# KiCad board Scan_Head_Set-Relay_board_19.01.2023_Comp.kicad_pcb (continued)
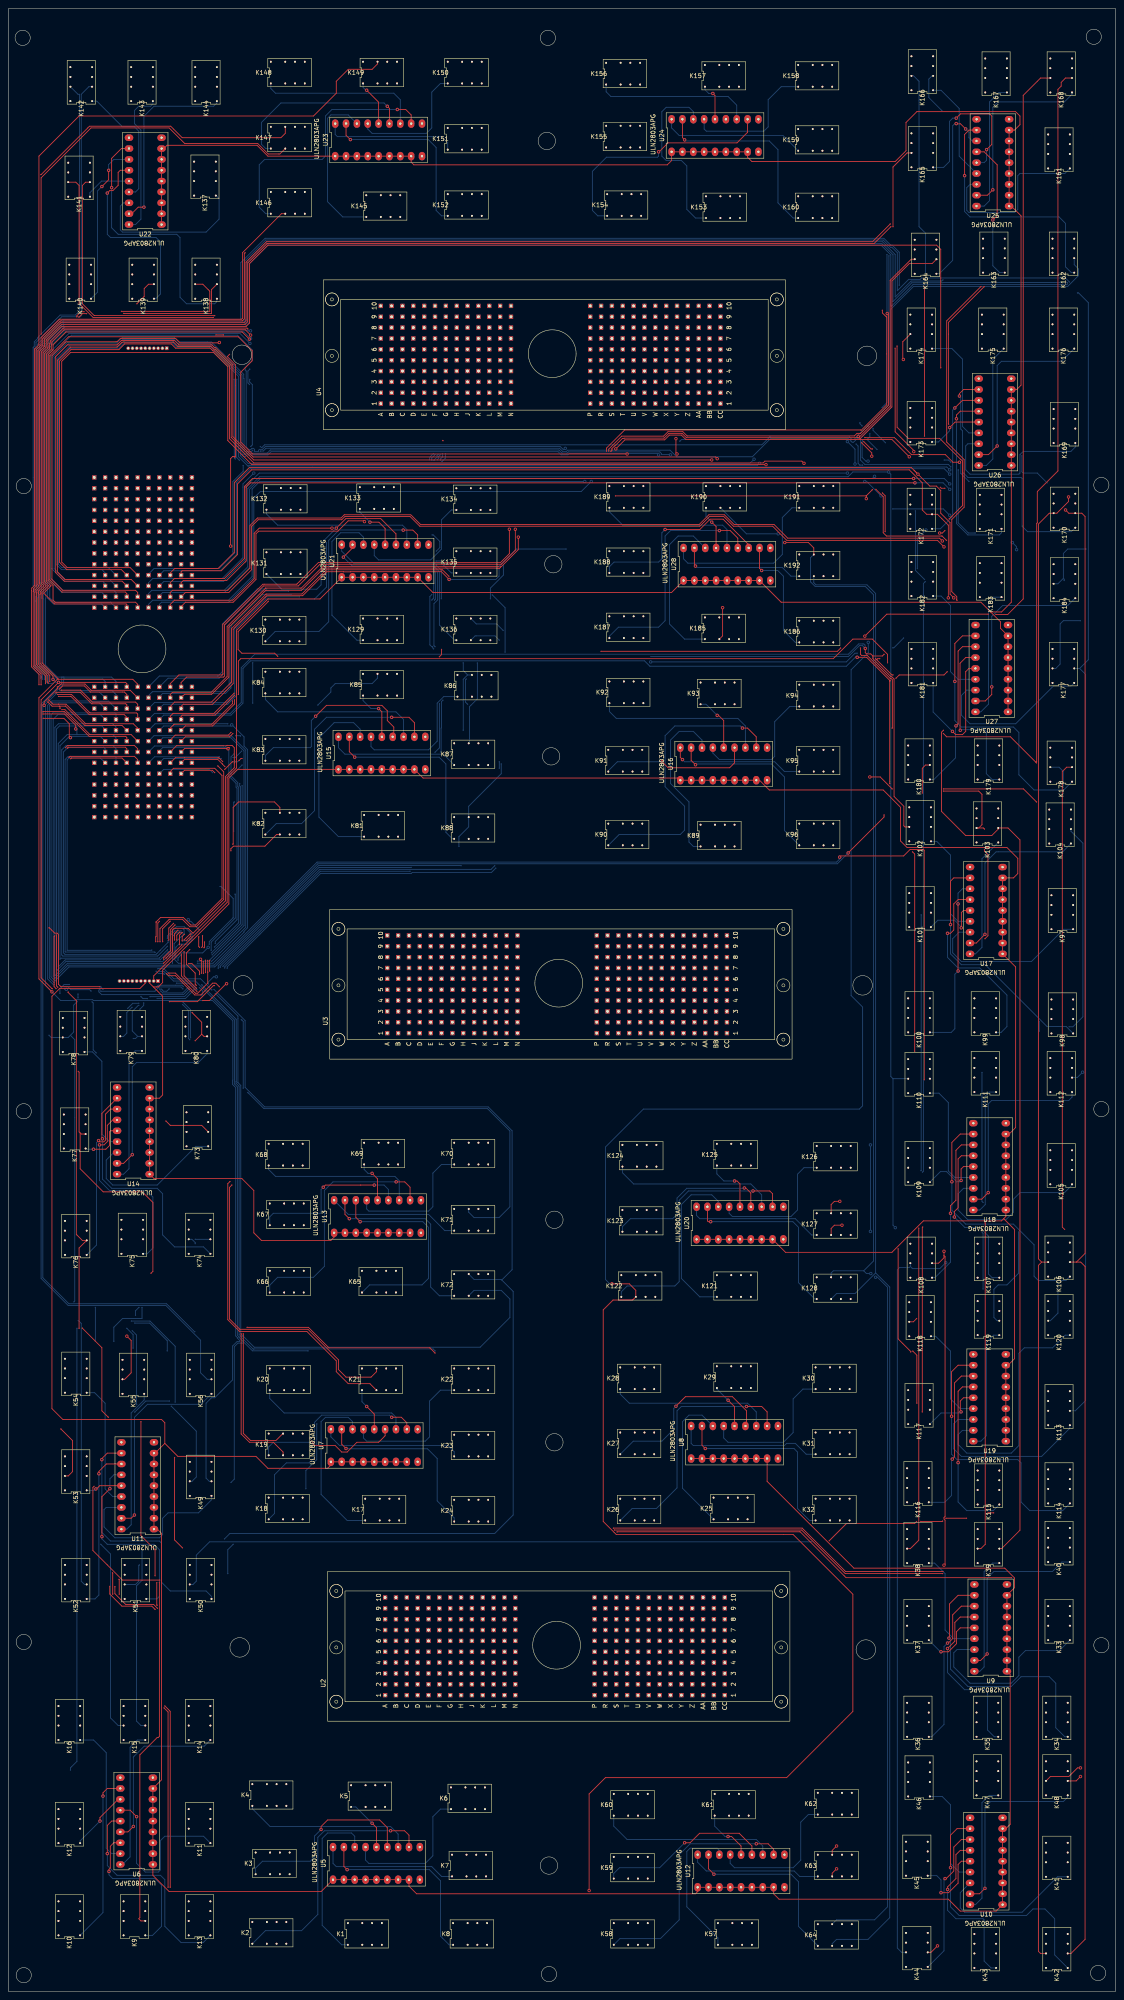
[diagram p0: board, top side]
## Routing (per net, layer and track width the routed paths; a pad name or vN(x,y) marks a point on that pad's centre or on a via; arc(x,y) is an arc through that point) (continued)
IO122: length 653.2
  Top w0.2: U1.S7 27.69,301.1 27.43,301.35 19.45,301.35 16.76,304.04 11.23,304.04 v4(11.07,303.89) ; v4(205.74,310.95) 205.74,312.93 202.18,316.48 197.61,316.48 193.04,311.91 54.36,311.91 53.79,311.35 v4(53.79,303.53) ; K53.21 13.97,120.65 14.99,121.67 14.99,128.91 v4(12.26,131.64)
  +12V w0.2: 10.31,246.53 10.31,303.12 v4(11.07,303.89) ; 10.31,246.53 10.31,235.57 10.68,235.2 10.68,234.41 10.86,234.22 10.86,233.64 10.45,233.23 9.86,233.23 9.86,232.58 9.87,232.56 9.87,231.38 9.92,231.33 9.92,230.95 9.66,230.69 9.54,230.69 9.54,134.35 v4(12.26,131.64) ; 10.31,246.53 43.33,246.53 54.19,257.39 54.19,288.73 54.45,288.99 54.52,288.99 54.86,289.33 54.86,302.46 v4(53.79,303.53) ; v1(208.03,180.34) 210.1,178.27 210.1,176.68 209.59,176.17 209.59,152.67 v1(209.64,152.62) ; 205.49,310.39 205.74,310.64 v4(205.74,310.95) ; 205.49,310.39 205.05,310.39 v1(205.01,310.35) ; 205.49,310.39 v1(209.49,310.39)
  AGND w0.2: K117.21 209.8,136.14 209.3,136.65 209.3,152.28 v1(209.64,152.62) ; v1(205.01,310.35) 204.36,309.7 204.36,183.9 207.92,180.34 v1(208.03,180.34) ; v1(209.49,310.39) 210.57,310.39 K181.21
IO123: length 642.4
  Top w0.2: v4(141.83,107.98) 185.64,107.98 195.83,97.79 v4(218.64,97.79)
  +12V w0.2: v4(141.83,107.98) 140.77,106.93 43.18,106.93 32.26,96.01 K51.11 ; v4(218.64,97.79) 228.6,97.79 229.72,98.91 229.72,116.22 v1(229.62,116.33) ; K179.11 230.38,287.02 229.64,286.28 229.64,241.53 232.92,238.25 232.92,208.53 230.63,206.25 v1(230.63,164.4)
  AGND w0.2: 230.63,117.86 230.12,118.36 230.12,163.89 v1(230.63,164.4) ; 230.63,117.86 231.14,117.35 K115.11 ; 230.63,117.86 229.62,116.84 v1(229.62,116.33) ; v2(10.52,235.58) 10.92,235.58 15.75,230.75 15.75,156.97 18.09,154.63 v2(28.96,154.63) ; K51.11 30.73,95.25 30.16,95.82 30.16,137.16 v2(30,137.32)
  Bottom w0.2: v2(30,137.32) 29.97,137.35 29.97,153.61 v2(28.96,154.63) ; v2(10.52,235.58) 9.14,236.95 9.14,300.99 10.16,302.01 19.27,302.01 19.3,301.97 23.41,301.97 U1.S8
IO124: length 644.9
  Top w0.2: v4(141.56,108.41) 141.59,108.43 185.76,108.43 195.91,98.28 v4(218.71,98.28)
  +12V w0.2: K51.21 31.5,99.57 31.5,103.63 35.31,107.44 140.59,107.44 v4(141.56,108.41) ; v1(227.64,227.84) 227.69,227.89 227.69,246.69 227.44,246.94 227.44,247.85 227.57,247.98 227.57,286.27 K179.21 ; v1(228.6,165.35) 228.6,119.38 226.82,117.6 K115.21 225.04,117.35 223.77,116.08 223.77,100.22 221.74,98.19 218.87,98.19 218.78,98.28 v4(218.71,98.28)
  AGND w0.2: v1(228.6,165.35) 228.6,177.55 228.09,178.05 v2(228.09,184.66) ; v2(10.69,236.05) 11.01,236.05 15.92,231.14 27.43,231.14 29.66,228.92 29.66,159.07 38.55,150.17 38.55,110.43 30.61,102.5 v2(30.61,99.82) ; v2(227.84,215.08) 227.64,215.27 v1(227.64,227.84)
  Bottom w0.2: K51.21 29.72,95.25 30.48,96.01 30.48,99.69 v2(30.61,99.82) ; v2(227.84,215.08) 227.84,184.91 v2(228.09,184.66) ; U1.S9 21.27,301.57 10.29,301.57 9.54,300.82 9.54,237.19 v2(10.69,236.05)
IO125: length 613.6
  Top w0.2: v4(213.96,178.91) 213.87,178.81 v4(213.87,135.64) ; v4(213.87,280.47) 213.87,286.26 214.63,287.02 K180.11 ; v5(194.54,265.46) 194.82,265.75 209.5,265.75 211.02,267.27 v4(214.12,267.27) 214.32,267.07 v4(214.32,213.36)
  +12V w0.2: K116.11 214.88,117.86 213.87,118.87 v4(213.87,135.64) ; v4(213.96,178.91) 214.32,179.27 v4(214.32,213.36) ; v4(213.87,280.47) 213.87,267.52 v4(214.12,267.27)
  AGND w0.2: v2(19.56,231.59) 19.3,231.84 v2(19.3,234.13) ; v2(20.51,219.65) 16.32,215.46 v2(16.32,157.04) ; v2(10.87,237.15) 11.18,237.15 v2(13.17,235.17)
  Bottom w0.2: K52.11 17.78,95.25 17.02,96.01 17.02,156.34 v2(16.32,157.04) ; v2(13.17,235.17) 13.21,235.22 13.83,235.22 14.6,234.44 18.99,234.44 v2(19.3,234.13) ; v2(19.56,231.59) 19.81,231.34 19.81,220.35 v2(20.51,219.65) ; U1.T9 21.48,298.81 11.54,298.81 10.44,297.72 10.44,237.58 v2(10.87,237.15) 13.89,240.18 48.09,240.18 72.22,264.31 193.81,264.31 194.54,265.04 v5(194.54,265.46)
IO126: length 625.7
  Top w0.2: v4(211.18,149.67) 211.18,149.75 208.22,152.72 v4(208.22,173.8) ; v4(204.92,275.34) 204.92,274.85 v5(196.51,266.45)
  +12V w0.2: v4(204.92,275.34) 204.92,284.42 207.52,287.02 v1(207.58,287.02) K180.21 ; v4(211.18,149.67) 211.69,149.16 211.69,118.36 211.18,117.86 K116.21 ; v1(14.32,131.66) 10.92,135.06 10.92,230.26 11.12,230.46 11.12,231.82 11.07,231.87 11.07,232.16 12.06,233.15 12.06,234.31 12.27,234.52 v3(13.54,234.52) ; v1(206.5,219.96) 206.5,175.51 v4(208.22,173.8)
  AGND w0.2: v2(10.87,236.52) 11.18,236.52 v2(13.1,234.59) ; K52.21 13.97,95.25 14.73,96.01 14.73,131.25 v1(14.32,131.66) ; v1(206.5,219.96) 206.5,285.95 v1(207.58,287.02)
  Bottom w0.2: v2(13.1,234.59) 13.46,234.59 v3(13.54,234.52) ; U1.T8 25.15,298.96 24.89,299.21 10.41,299.21 9.94,298.74 9.94,237.44 v2(10.87,236.52) 14.13,239.78 48.26,239.78 72.39,263.91 193.97,263.91 v5(196.51,266.45)
IO127: length 659.4
  Top w0.2: U1.T7 27.69,298.2 27.07,298.81 18.88,298.81 14.58,303.12 14.54,303.08 v4(11.7,303.08) ; K178.11 247.65,286.51 246.63,285.5 246.63,178.88 v4(247.18,178.34) ; v4(234.76,96.84) 196.02,96.84 185.28,107.58 142.47,107.58 v4(142.42,107.54) ; v4(35.36,96.27) 26.67,96.27 19.75,103.19 19.75,117.95 v4(20.01,118.21) ; v4(11.19,247.22) 11.21,247.2 11.21,235.32 v4(11.51,235.02)
  +12V w0.2: v4(20.01,118.21) 20.01,121.31 19.96,121.35 19.96,125.39 10.41,134.93 10.41,230.32 10.72,230.62 10.72,231.66 10.67,231.71 10.67,232.32 11.66,233.31 11.66,234.87 v4(11.51,235.02) ; v4(142.42,107.54) 141.32,106.43 45.72,106.43 43.94,104.65 43.94,96.27 ; v4(247.18,178.34) 246.89,178.05 246.89,117.86 247.14,117.6 ; v4(35.36,96.27) 43.94,96.27 ; 43.94,96.27 46.48,96.27 K50.11 ; K114.11 247.14,117.6 ; 247.14,117.6 247.14,113.54 246.38,112.78 243.33,112.78 240.28,109.73 240.28,102.36 v4(234.76,96.84) ; v4(11.7,303.08) 11.19,302.58 v4(11.19,247.22)
IO128: length 647.6
  Top w0.2: v4(11.43,303.53) 14.73,303.53 19.05,299.21 29.97,299.21 30.23,298.96 U1.T6 ; v4(192.09,105.47) 196.1,109.49 212.05,109.49 v4(212.54,109.98) ; v4(229.27,112.01) v4(230.57,112.01) ; v4(11.13,234.7) 10.67,235.15 10.67,246.89 v4(10.76,246.98) ; v4(218.64,110.08) 218.53,109.98 v4(213.49,109.98) ; v4(224.22,110.74) v4(219.4,110.74)
  +12V w0.2: v4(11.13,234.7) 11.26,234.56 11.26,233.48 10.27,232.49 10.27,231.54 10.32,231.49 10.32,230.79 9.94,230.41 9.94,134.51 12.38,132.08 12.7,132.08 19.56,125.22 19.56,103.12 21.34,101.35 21.34,96.52 24.38,93.47 41.15,93.47 42.42,94.74 K50.21 ; v1(189.29,105.22) 191.83,105.22 v4(192.09,105.47) ; v1(246.13,190.75) 246.13,179.32 245.62,178.82 245.62,117.86 245.36,117.6 K114.21 235.97,117.6 233.68,115.32 233.68,113.54 232.16,112.01 v4(230.57,112.01) ; v4(10.76,246.98) 10.71,247.02 10.71,302.81 v4(11.43,303.53) ; v4(229.27,112.01) 225.49,112.01 v4(224.22,110.74) ; v4(213.49,109.98) v4(212.54,109.98) ; v4(219.4,110.74) 218.84,110.74 218.59,110.49 218.59,110.13 v4(218.64,110.08)
  AGND w0.2: v2(246.87,282.19) 246.89,282.17 246.89,227.47 246.13,226.71 v1(246.13,190.75) ; v1(189.29,105.22) v2(188.02,105.22)
  Bottom w0.2: v2(188.02,105.22) 47.05,105.22 43.94,102.11 43.94,96.01 43.18,95.25 K50.21 ; v2(246.87,282.19) 246.87,285.52 245.87,286.51 K178.21
SH1SELECT: length 695.2
  Top w0.2: 36.58,128.27 34.29,125.98 U11.8 U11.1 34.8,108.2 35.81,107.19 35.81,49.53 U6.8 U6.1 33.78,27.18 37.59,23.37 73.15,23.37 U5.1 U5.8 93.73,24.64 95.5,22.86 160.78,22.86 161.29,23.37 U12.1 U12.8 179.07,22.86 180.34,21.59 219.96,21.59 222.76,18.8 231.14,18.8 U10.1 U10.8 233.43,38.1 234.44,39.12 234.44,74.17 U9.1 U9.3 U9.8 235.46,94.49 235.46,96.77 233.17,99.06 197.87,99.06 177.55,119.38 U8.8 U8.1 ; 36.58,128.27 39.62,125.22 57.91,125.22 60.71,122.43 74.68,122.43 75.44,123.19 U7.1 U7.8 ; 36.58,128.27 36.58,133.1 35.81,133.86 12.7,133.86 10.16,136.4 10.16,232.92 11.94,234.7 30.73,234.7 31.98,235.94 J1.4
SH2SELECT: length 601
  Top w0.2: 232.92,180.85 233.43,181.36 U18.1 U18.8 234.19,200.66 235.71,202.18 235.71,239.78 U17.1 U17.8 235.2,260.6 236.22,261.62 236.22,265.18 233.68,267.72 210.31,267.72 208.79,269.24 208.79,277.11 204.72,281.18 178.05,281.18 175.77,283.46 U16.8 U16.1 156.72,283.97 97.03,283.97 U15.8 U15.1 53.59,286 51.56,283.97 51.56,254.51 36.07,239.01 36.07,236.11 35.03,235.08 33.91,235.08 ; 232.92,180.85 235.46,178.31 235.46,148.08 233.93,146.56 U19.8 U19.1 ; 232.92,180.85 232.41,180.34 214.12,180.34 206.76,172.97 181.86,172.97 U20.8 U20.1 ; 33.91,235.08 32.98,236.01 J1.3 ; 33.91,235.08 36.07,232.92 36.07,209.8 35.31,209.04 U14.8 33.02,194.82 ; U13.8 U13.1 76.2,176.53 75.44,175.77 59.18,175.77 57.4,177.55 57.4,187.45 54.61,190.25 34.04,190.25 U14.1 33.02,194.82 ; 33.02,194.82 U14.2
SH3SELECT: length 662
  Top w0.2: U22.1 U22.8 36.32,431.29 37.08,432.05 58.17,432.05 60.71,429.51 U23.1 U23.8 94.23,428.12 94.87,427.48 154.18,427.48 155.19,428.5 U24.1 U24.8 172.97,429.26 173.99,428.24 207.52,428.24 210.06,430.78 210.06,437.39 212.6,439.93 235.71,439.93 236.73,438.91 236.73,436.88 235.46,435.61 U25.8 U25.2 U25.1 234.7,417.83 236.98,415.54 236.98,375.92 235.97,374.9 U26.8 U26.1 234.7,325.12 232.41,322.83 229.87,322.83 ; 229.87,322.83 227.58,325.12 180.85,325.12 U28.8 U28.1 155.19,327.41 99.31,327.41 U21.8 U21.1 72.9,325.88 60.71,325.88 53.34,318.52 53.34,286.32 51.16,284.14 51.16,254.87 33.98,237.69 J1.2 ; 229.87,322.83 232.16,320.55 232.16,319.02 U27.8 U27.1
Net-(K1-PadA1): length 39.2
  Bottom w0.2: U5.16 81.03,36.32 80.26,37.08 74.68,37.08 73.41,35.81 73.41,15.49 77.98,10.92 K1.A1
Net-(K2-PadA1): length 61.4
  Top w0.2: U5.11 93.73,36.58 92.7,37.61 v5(89.42,37.61)
  Bottom w0.2: K2.A1 60.12,14.22 68.58,14.22 72.39,18.03 72.39,36.07 73.93,37.61 v5(89.42,37.61)
Net-(K3-PadA1): length 45.5
  Top w0.2: v5(73.15,37.91) 73.15,38.61 74.68,40.13 86.87,40.13 88.65,38.35 U5.13
  Bottom w0.2: K3.A1 57.83,28.87 59.44,30.48 70.61,30.48 71.63,31.5 71.63,36.38 v5(73.15,37.91)
Net-(K4-PadA1): length 40.3
  Bottom w0.2: U5.12 91.19,36.83 89.41,38.61 61.21,38.61 57.07,42.75 K4.A1
Net-(K5-PadA1): length 12.5
  Top w0.2: v5(85.09,39.37) 86.11,38.35 U5.14
  Bottom w0.2: v5(85.09,39.37) 81.28,43.18 K5.A1
Net-(K6-PadA1): length 34
  Bottom w0.2: U5.15 83.57,30.73 84.33,29.97 97.54,29.97 99.31,31.75 99.31,40.89 101.09,42.67 K6.A1
Net-(K7-PadA1): length 32.9
  Bottom w0.2: K7.A1 101.35,26.92 99.06,29.21 76.71,29.21 75.95,29.97 U5.18
Net-(K8-PadA1): length 45.3
  Top w0.2: U5.17 78.49,29.27 v5(79.25,28.51)
  Bottom w0.2: K8.A1 103.12,10.92 101.09,12.95 101.09,25.91 98.49,28.51 v5(79.25,28.51)
Net-(K9-PadA1): length 37.1
  Top w0.2: v5(23.51,28.08) 23.51,28.59 23.81,28.89 23.81,33.97 24.64,34.8 U6.16
  Bottom w0.2: K9.A1 33.7,13.13 35.81,15.24 35.81,24.89 34.29,26.42 24.38,26.42 23.51,27.29 v5(23.51,28.08)
Net-(K10-PadA1): length 40.1
  Top w0.2: U6.11 23.11,47.5 22.1,46.48 v5(22.1,45.72)
  Bottom w0.2: K10.A1 22.1,18.46 v5(22.1,45.72)
Net-(K11-PadA1): length 41.6
  Top w0.2: v5(29.97,40.89) 28.45,42.42 U6.13
  Bottom w0.2: v5(29.97,40.89) 29.97,29.97 32,27.94 35.05,27.94 35.56,28.45 35.56,35.31 36.58,36.32 45.64,36.32 K11.A1
Net-(K12-PadA1): length 14.4
  Top w0.2: U6.12 25.65,44.96 21.4,40.7 v5(21.4,39.88)
  Bottom w0.2: K12.A1 16.76,35.24 v5(21.4,39.88)
Net-(K13-PadA1): length 51.6
  Top w0.2: U6.14 24.13,39.88 23.11,38.86 v5(23.11,32.26)
  Bottom w0.2: K13.A1 45.55,11.43 40.39,11.43 36.58,15.24 36.58,26.16 35.56,27.18 25.4,27.18 23.11,29.46 v5(23.11,32.26)
Net-(K14-PadA1): length 39.5
  Top w0.2: v5(29.21,38.61) 27.94,37.34 U6.15
  Bottom w0.2: v5(29.21,38.61) 29.21,54.86 31.75,57.4 45.8,57.4 K14.A1
Net-(K15-PadA1): length 32.9
  Bottom w0.2: K15.A1 30.14,58.85 28.45,57.15 28.45,31.5 26.67,29.72 U6.18
Net-(K16-PadA1): length 33.5
  Bottom w0.2: U6.17 24.13,32.26 22.86,33.53 22.86,55.88 19.89,58.85 K16.A1
Net-(K17-PadA1): length 39.9
  Bottom w0.2: K17.A1 79.25,110.24 73.15,116.33 73.15,133.35 74.17,134.37 79.5,134.37 80.52,133.35 U7.16
Net-(K18-PadA1): length 54.8
  Top w0.2: U7.11 93.22,133.1 91.93,134.38 v5(89.68,134.38)
  Bottom w0.2: v5(89.68,134.38) 89.18,134.87 73.3,134.87 71.63,133.2 71.63,124.97 70.36,123.7 65.02,123.7 62.23,120.9 62.23,111.84 K18.A1
Net-(K19-PadA1): length 33.7
  Top w0.2: v5(70.93,128.52) 71.69,127.76 76.45,127.76 77.98,126.24 79.25,126.24 81.53,128.52 86.61,128.52 88.14,130.05 U7.13
  Bottom w0.2: v5(70.93,128.52) 61.98,128.52 60.88,127.43 K19.A1
Net-(K20-PadA1): length 36.1
  Bottom w0.2: K20.A1 61.13,138.77 64.52,135.38 89.66,135.38 90.68,134.37 U7.12
Net-(K21-PadA1): length 10.3
  Top w0.2: v5(83.82,136.91) 85.6,135.13 U7.14
  Bottom w0.2: K21.A1 82.72,138 v5(83.82,136.91)
Net-(K22-PadA1): length 33.5
  Bottom w0.2: U7.15 83.06,129.54 83.82,128.78 97.54,128.78 98.55,129.79 98.55,138.18 101.09,140.72 K22.A1
Net-(K23-PadA1): length 33.2
  Bottom w0.2: K23.A1 104.31,126.32 102.87,127.76 77.47,127.76 75.44,129.79 U7.18
Net-(K24-PadA1): length 43.6
  Top w0.2: U7.17 77.98,128.08 v5(78.99,127.06)
  Bottom w0.2: K24.A1 104.31,110.83 100.33,114.81 100.33,124.71 98.04,127 79.06,127 v5(78.99,127.06)
Net-(K25-PadA1): length 34.7
  Bottom w0.2: U8.16 162.31,134.87 159.26,134.87 157.73,133.35 157.73,117.77 K25.A1
Net-(K26-PadA1): length 59.8
  Top w0.2: v5(172.72,136.91) 176.28,136.91 177.55,135.64 U8.11
  Bottom w0.2: K26.A1 145.97,113.03 151.64,113.03 156.46,117.86 156.46,135.89 157.48,136.91 v5(172.72,136.91)
Net-(K27-PadA1): length 43
  Top w0.2: v5(156.21,136.97) 158.43,139.19 169.42,139.19 172.72,135.89 172.72,132.59 U8.13
  Bottom w0.2: v5(156.21,136.97) 155.7,136.46 155.7,131.57 152.91,128.78 146.22,128.78 K27.A1
Net-(K28-PadA1): length 38
  Bottom w0.2: U8.12 175.01,135.64 172.97,137.67 145.29,137.67 143.17,139.78 K28.A1
Net-(K29-PadA1): length 10.6
  Top w0.2: U8.14 169.93,136.84 v5(168.4,138.37)
  Bottom w0.2: v5(168.4,138.37) 165.78,140.99 K29.A1
Net-(K30-PadA1): length 34.5
  Bottom w0.2: K30.A1 185.93,140.97 183.64,138.68 183.64,130.81 181.36,128.52 168.4,128.52 167.39,129.54 U8.15
Net-(K31-PadA1): length 34.7
  Bottom w0.2: U8.18 159.77,128.27 160.27,127.76 181.61,127.76 182.12,128.27 184.15,128.27 186.69,125.73 K31.A1
Net-(K32-PadA1): length 46.1
  Top w0.2: U8.17 162.31,127.82 v5(163.07,127.06)
  Bottom w0.2: K32.A1 187.45,110.24 184.66,113.03 184.66,126.24 183.83,127.06 v5(163.07,127.06)
Net-(K33-PadA1): length 43.9
  Bottom w0.2: U9.16 222,80.01 221.23,79.25 221.23,75.95 225.04,72.14 234.7,72.14 236.47,73.91 236.47,78.23 238,79.76 245.95,79.76 K33.A1
Net-(K34-PadA1): length 64.1
  Top w0.2: v5(220.1,82.69) 220.22,82.8 220.22,90.68 222.25,92.71 U9.11
  Bottom w0.2: v5(220.1,82.69) 220.47,82.32 220.47,75.44 224.54,71.37 234.7,71.37 236.98,73.66 243.59,73.66 245.11,72.14 245.11,61.72 247.22,59.61 K34.A1
Net-(K35-PadA1): length 41
  Top w0.2: v5(219.77,80.26) 221.49,81.98 221.49,86.36 222.76,87.63 U9.13
  Bottom w0.2: K35.A1 230.71,59.61 229.11,61.21 229.11,70.36 228.85,70.61 223.77,70.61 219.77,74.61 v5(219.77,80.26)
Net-(K36-PadA1): length 37.3
  Top w0.2: v5(219.77,81.53) 219.94,81.53 220.98,82.58 220.98,88.14 223.01,90.17 U9.12
  Bottom w0.2: v5(219.77,81.53) 218.95,80.71 218.95,62.48 216.07,59.61 K36.A1
Net-(K37-PadA1): length 15.8
  Top w0.2: U9.14 222.76,85.09 221.89,84.22 221.89,81.39 220,79.5 v5(218.25,79.5)
  Bottom w0.2: K37.A1 218.1,79.5 v5(218.25,79.5)
Net-(K38-PadA1): length 25.7
  Bottom w0.2: K38.A1 216.74,100.25 219.2,97.79 219.2,84.58 221.23,82.55 U9.15
Net-(K39-PadA1): length 29.4
  Bottom w0.2: K39.A1 230.3,100.25 228.35,98.3 228.35,75.95 227.33,74.93 U9.18
Net-(K40-PadA1): length 42.3
  Top w0.2: v5(229.05,78.99) 227.52,77.47 U9.17
  Bottom w0.2: K40.A1 246.55,100.5 244.35,98.3 230.63,98.3 229.05,96.71 v5(229.05,78.99)
Net-(K41-PadA1): length 35.8
  Bottom w0.2: U10.16 222.76,23.11 222.76,19.56 223.77,18.54 237.24,18.54 245.54,26.84 K41.A1
Net-(K42-PadA1): length 61.5
  Top w0.2: U10.11 222,38.1 220.49,36.59 v5(220.49,28.97)
  Bottom w0.2: K42.A1 244.86,8.55 244.86,17.02 242.57,19.3 239.78,19.3 238.25,17.78 222.5,17.78 220.49,19.8 v5(220.49,28.97)
Net-(K43-PadA1): length 40.1
  Top w0.2: U10.13 222.76,33.02 221.74,32 221.74,26.42 219.79,24.46 v5(219.79,23.88)
  Bottom w0.2: K43.A1 229.95,5.51 228.35,7.11 228.35,16.76 228.09,17.02 221.74,17.02 219.79,18.97 v5(219.79,23.88)
Net-(K44-PadA1): length 35.3
  Top w0.2: v5(219.2,26.42) 219.46,26.42 221.23,28.19 221.23,33.78 223.01,35.56 U10.12
  Bottom w0.2: v5(219.2,26.42) 218.95,26.16 218.95,9.52 215.19,5.76 K44.A1
Net-(K45-PadA1): length 18.9
  Top w0.2: v5(218.25,23.11) 220.01,23.11 222.25,25.35 222.25,29.72 223.01,30.48 U10.14
  Bottom w0.2: K45.A1 217.25,27.1 218.25,26.1 v5(218.25,23.11)
Net-(K46-PadA1): length 24.8
  Bottom w0.2: K46.A1 218.52,45.64 220.47,43.69 220.47,29.97 222.5,27.94 U10.15
Net-(K47-PadA1): length 30.3
  Bottom w0.2: U10.18 226.31,20.32 227.84,21.84 227.84,44.2 229.53,45.89 K47.A1
Net-(K48-PadA1): length 43.8
  Top w0.2: U10.17 227.27,22.86 v5(228.54,24.13)
  Bottom w0.2: v5(228.54,24.13) 228.54,43.12 229.87,44.45 246.89,44.45 247.9,45.47 K48.A1
Net-(K49-PadA1): length 41.4
  Bottom w0.2: U11.16 22.86,113.28 22.35,112.78 22.35,108.71 24.89,106.17 35.31,106.17 36.07,106.93 36.07,110.74 37.34,112.01 44.45,112.01 47.5,115.06 K49.A1
Net-(K50-PadA1): length 60.2
  Top w0.2: v5(21.84,124.46) 21.84,124.71 23.11,125.98 U11.11
  Bottom w0.2: K50.A1 47.5,92.46 46.23,93.73 37.85,93.73 35.81,95.76 35.81,104.9 35.31,105.41 23.88,105.41 21.84,107.44 v5(21.84,124.46)
Net-(K51-PadA1): length 46.6
  Top w0.2: v5(21.86,106.44) 21.86,115.8 v5(23.72,117.66)
  Bottom w0.2: v5(23.72,117.66) 23.72,119.99 24.64,120.9 U11.13 ; K51.A1 34.72,91.87 35.31,92.46 35.31,103.38 34.04,104.65 23.11,104.65 21.86,105.9 v5(21.86,106.44)
Net-(K52-PadA1): length 38.2
  Top w0.2: U11.12 22.89,123.44 21.14,121.7 v5(21.14,121.16)
  Bottom w0.2: v5(21.14,121.16) 21.14,92.77 20.24,91.87 K52.A1
Net-(K53-PadA1): length 8.6
  Top w0.2: v5(20.44,117.6) 20.57,117.6 21.34,118.36 U11.14
  Bottom w0.2: v5(20.44,117.6) 20.11,117.27 K53.A1
Net-(K54-PadA1): length 29.9
  Bottom w0.2: K54.A1 20.15,140.13 22.61,137.67 22.61,117.6 24.38,115.82 U11.15
Net-(K55-PadA1): length 34.6
  Bottom w0.2: K55.A1 31.75,138.43 28.7,135.38 28.7,109.22 27.69,108.2 U11.18
Net-(K56-PadA1): length 46.5
  Top w0.2: v5(29.46,111.51) 28.7,110.74 U11.17
  Bottom w0.2: v5(29.46,111.51) 29.46,134.37 32.51,137.41 45.04,137.41 K56.A1
Net-(K57-PadA1): length 34
  Bottom w0.2: U12.16 166.37,33.02 165.86,33.53 159.51,33.53 158.75,32.77 158.75,19.81 166.03,12.53 K57.A1
Net-(K58-PadA1): length 57.9
  Top w0.2: v5(175.02,34.56) 177.79,34.56 179.07,33.27 U12.11
  Bottom w0.2: v5(175.02,34.56) 159.53,34.56 156.97,32 156.97,16.76 152.57,12.36 143.09,12.36 K58.A1
Net-(K59-PadA1): length 40.7
  Top w0.2: v5(158.24,34.8) 159.51,34.8 161.74,37.02 171,37.02 173.99,34.04 U12.13
  Bottom w0.2: v5(158.24,34.8) 152.4,28.96 143,28.96 141.65,27.6 K59.A1
Net-(K60-PadA1): length 41.3
  Bottom w0.2: U12.12 176.53,34.04 175.01,35.56 144.78,35.56 141.65,38.69 K60.A1
Net-(K61-PadA1): length 12.6
  Top w0.2: v5(168.4,36.26) 169.23,36.26 171.45,34.04 U12.14
  Bottom w0.2: v5(168.4,36.26) 167.7,36.26 165.27,38.69 K61.A1
Net-(K62-PadA1): length 33.3
  Bottom w0.2: K62.A1 187.2,41.4 185.42,39.62 185.42,30.73 183.64,28.96 169.93,28.96 168.91,29.97 U12.15
Net-(K63-PadA1): length 31.3
  Bottom w0.2: U12.18 161.29,30.23 163.32,28.19 183.9,28.19 185.17,26.92 K63.A1
Net-(K64-PadA1): length 42.5
  Top w0.2: v5(165.1,27.43) 163.83,28.7 U12.17
  Bottom w0.2: K64.A1 189.4,10.72 184.91,15.21 184.91,25.65 183.13,27.43 v5(165.1,27.43)
Net-(K65-PadA1): length 50.9
  Top w0.2: U13.16 81.28,181.16 v5(82.3,180.15)
  Bottom w0.2: v5(82.3,180.15) 96.97,180.15 98.3,178.82 98.3,166.88 96.77,165.35 84.5,165.35 K65.A1
Net-(K66-PadA1): length 58.5
  Top w0.2: v5(90.72,189.47) 92.73,189.47 93.98,188.21 U13.11
  Bottom w0.2: K66.A1 61.13,165.27 62.99,167.13 71.37,167.13 73.91,169.67 73.91,187.45 75.93,189.47 v5(90.72,189.47)
Net-(K67-PadA1): length 39
  Top w0.2: v5(85.6,188.72) 82.44,188.72 82.43,188.71 74.15,188.71 v5(73.66,188.21)
  Bottom w0.2: K67.A1 61.13,181.27 61.98,182.12 73.15,182.12 73.15,187.71 v5(73.66,188.21) ; v5(85.6,188.72) 87.88,188.72 88.9,187.71 U13.13
Net-(K68-PadA1): length 37.2
  Bottom w0.2: K68.A1 60.88,192.36 62.48,190.75 90.42,190.75 91.44,189.74 U13.12
Net-(K69-PadA1): length 10.2
  Top w0.2: U13.14 86.36,190.18 v5(85.09,191.45)
  Bottom w0.2: v5(85.09,191.45) 84.14,191.45 83.23,192.36 K69.A1
Net-(K70-PadA1): length 31.9
  Bottom w0.2: K70.A1 101.35,193.55 99.31,191.52 99.31,183.64 98.3,182.63 84.33,182.63 83.82,183.13 U13.15
Net-(K71-PadA1): length 31.1
  Bottom w0.2: K71.A1 102.11,178.05 98.3,181.86 79.5,181.86 U13.18
Net-(K72-PadA1): length 45.4
  Top w0.2: U13.17 78.74,181.86 v5(79.76,180.85)
  Bottom w0.2: K72.A1 100.84,162.81 98.81,164.85 98.81,179.58 97.54,180.85 v5(79.76,180.85)
Net-(K73-PadA1): length 35.9
  Bottom w0.2: K73.A1 43.86,197.78 34.8,188.72 24.38,188.72 22.86,190.25 22.86,194.56 24.64,196.34 U14.16
Net-(K74-PadA1): length 58.6
  Top w0.2: v5(21.98,199.53) 21.84,199.67 21.84,205.49 U14.11
  Bottom w0.2: K74.A1 45.64,174.24 38.86,174.24 36.07,177.04 36.07,186.69 34.8,187.96 24.13,187.96 21.98,190.11 v5(21.98,199.53)
Net-(K75-PadA1): length 46
  Top w0.2: U14.13 24.38,203.96 23.11,202.69 23.11,198.88 22.35,198.12 v5(21.28,198.12)
  Bottom w0.2: K75.A1 32.43,172.64 33.78,173.99 33.78,185.93 32.26,187.45 23.62,187.45 21.28,189.79 v5(21.28,198.12)